# Altium PCB Sensors_IO_Board.PcbDoc (part 2 of 2)
Units mm, origin at the board's own origin, x right, y up, seen from the top; angles counter-clockwise.
Board outline 100 x 100 mm, 2 copper layers (Top Layer, Bottom Layer); 246 components, 158 nets, 760 pads, 0 vias.
Unrouted connection lines stored in the file: 558.
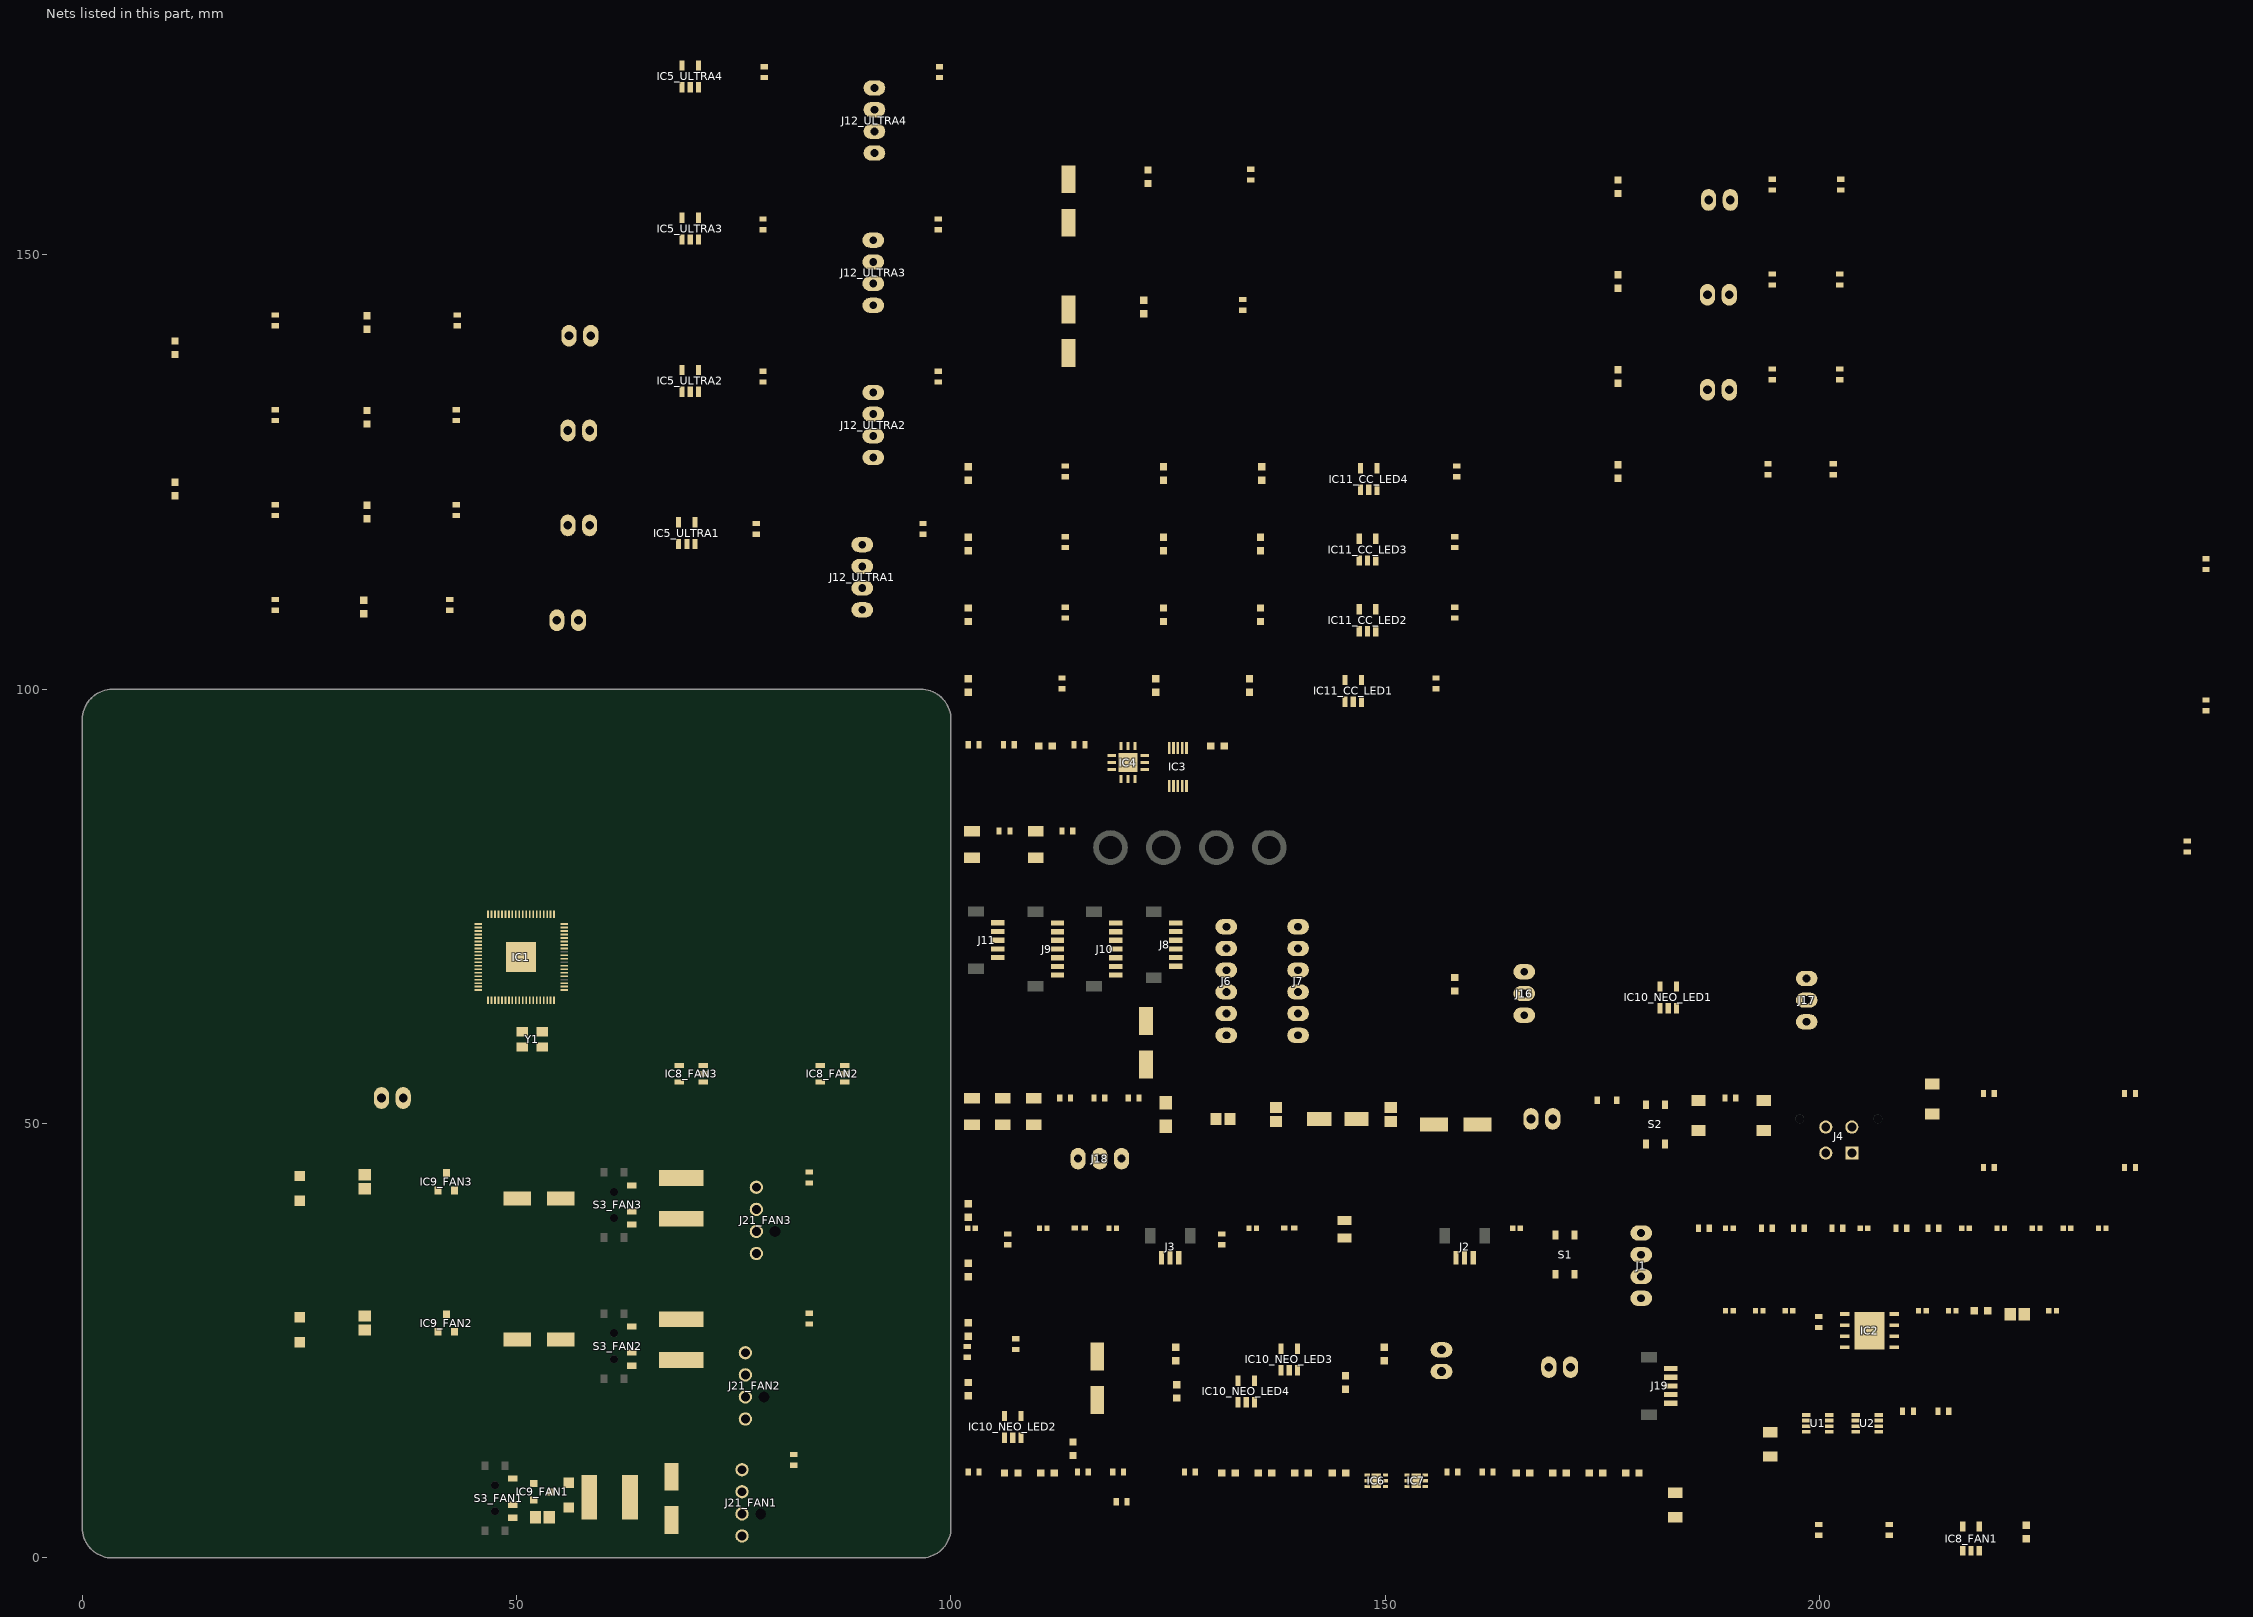
[diagram p2: the nets of this part, all layers, seen from the top]

## Part data
C1 C3 C4 C5 C6 C7 C8 C9 C10 C11 C12 C13 C14 C15 C16 C17 C18 C19 C20 C27 C28 C29_ULTRA1 C29_ULTRA2 C29_ULTRA3 C29_ULTRA4 C30 C31 C35 C37 C38 C39 C40_MS1 C40_MS2 C40_MS3 C40_MS4 C41_THERM1 C41_THERM2 C41_THERM3 C41_THERM4 C42_FAN1 C42_FAN2 C42_FAN3 C45_NEO_LED1 C45_NEO_LED2 C45_NEO_LED3 C45_NEO_LED4 C47_NEO_LED1 C47_NEO_LED2 C47_NEO_LED3 C47_NEO_LED4 C50_CC_LED1 C50_CC_LED2 C50_CC_LED3 C50_CC_LED4: library part "Non-polar Capacitor", "Generic Ceramic Capacitor", Voltage=6.3V
C2 C23 C25 C43_FAN1 C43_FAN2 C43_FAN3: library part CL21A106KOQNNNE, "CAP CER 10UF 16V X5R 0805", Capacitance="10 µF", Device Package="0805 (2012 Metric)", Manufacturer="Samsung Electro-Mechanics", Operating Temperature="-55°C ~ 85°C", Supplier Part Number 1=1276-1096-1-ND, Temperature Coefficient=X5R, Tolerance=±10%, Voltage - Rated=16V, Applications="General Purpose", ComponentLink1Description=Datasheet, ComponentLink1URL=http://www.samsungsem.com/kr/support/product-search/mlcc/CL21A106KOQNNNE.jsp, ComponentLink2Description="DigiKey Link", ComponentLink2URL=https://www.digikey.com/en/products/detail/samsung-electro-mechanics/CL21A106KOQNNNE/3886754, LastUpdated="2/9/2024 8:15:37 PM", Lifecycle Status=Active, Minimum Order=1, Mounting Type="Surface Mount, MLCC", Package / Case="0805 (2012 Metric)", Packaging=TapeAndReel, Part Number=CL21A106KOQNNNE, Part Status=Active, PartId=14297, Price=0.01, Series=CL, Size / Dimension="0.079\" L x 0.049\" W (2.00mm x 1.25mm)", Supplier 1=DigiKey, Thickness (Max)="0.055\" (1.40mm)"
C21 C33 C48_CC_LED1 C48_CC_LED2 C48_CC_LED3 C48_CC_LED4 C49_CC_LED1 C49_CC_LED2 C49_CC_LED3 C49_CC_LED4: library part "Non-polar Capacitor", "Generic Ceramic Capacitor", Voltage=16V
C22: library part CL21A226MAYNNNE, "CAP CER 22UF 25V X5R 0805", Device Package="0805 (2012 Metric)", Manufacturer="Samsung Electro-Mechanics", Operating Temperature="-55°C ~ 85°C", Supplier Part Number 1=1276-CL21A226MAYNNNECT-ND, Temperature Coefficient=X5R, Tolerance=±20%, Voltage - Rated=25V, Applications="General Purpose", Capacitance="22 µF", ComponentLink1Description=Datasheet, ComponentLink1URL=https://media.digikey.com/pdf/Data%20Sheets/Samsung%20PDFs/CL21A226MAYNNNE_Spec.pdf, ComponentLink2Description="DigiKey Link", ComponentLink2URL=https://www.digikey.com/en/products/detail/samsung-electro-mechanics/CL21A226MAYNNNE/10479857, LastUpdated="2/9/2024 8:15:02 PM", Lifecycle Status=Active, Minimum Order=1, Mounting Type="Surface Mount, MLCC", Package / Case="0805 (2012 Metric)", Packaging=TapeAndReel, Part Number=CL21A226MAYNNNE, Part Status=Active, PartId=39209, Price=0.04, Series=CL, Size / Dimension="0.079\" L x 0.049\" W (2.00mm x 1.25mm)", Supplier 1=DigiKey, Thickness (Max)="0.057\" (1.45mm)"
C24: library part 865080142007, "CAP ALUM 100UF 20% 6.3V SMD", Capacitance="100 µF", Device Package="Radial, Can - SMD", Lifetime @ Temp.="2000 Hrs @ 105°C", Manufacturer="Würth Elektronik", Operating Temperature="-55°C ~ 105°C", Ripple Current @ High Frequency="170 mA @ 100 kHz", Ripple Current @ Low Frequency="110.5 mA @ 120 Hz", Supplier Part Number 1=732-8472-1-ND, Tolerance=±20%, Voltage - Rated="6.3 V", Applications="General Purpose", ComponentLink1Description=Datasheet, ComponentLink1URL=https://katalog.we-online.de/pbs/datasheet/865080142007.pdf, ComponentLink2Description="DigiKey Link", ComponentLink2URL=https://www.digikey.com/en/products/detail/würth-elektronik/865080142007/5728067, Height - Seated (Max)="0.217\" (5.50mm)", Impedance="800 mOhms", LastUpdated="6/3/2024 7:53:12 PM", Lifecycle Status=Active, Minimum Order=1, Mounting Type="Surface Mount", Package / Case="Radial, Can - SMD", Packaging=TapeAndReel, Part Number=865080142007, Part Status=Active, PartId=7920, Polarization=Polar, Price=0.12, Series=WCAP-ASLI, Size / Dimension="0.197\" Dia (5.00mm)", Supplier 1=DigiKey, Surface Mount Land Size="0.209\" L x 0.209\" W (5.30mm x 5.30mm)"
C26: library part 865080343009, "CAP ALUM 100UF 20% 16V SMD", Device Package="Radial, Can - SMD", Lifetime @ Temp.="2000 Hrs @ 105°C", Manufacturer="Würth Elektronik", Operating Temperature="-55°C ~ 105°C", Ripple Current @ High Frequency="255 mA @ 100 kHz", Ripple Current @ Low Frequency="165.75 mA @ 120 Hz", Supplier Part Number 1=732-8419-1-ND, Tolerance=±20%, Voltage - Rated="16 V", Applications="General Purpose", Capacitance=100uF, ComponentLink1Description=Datasheet, ComponentLink1URL=https://katalog.we-online.de/pbs/datasheet/865080343009.pdf, ComponentLink2Description="DigiKey Link", ComponentLink2URL=https://www.digikey.com/en/products/detail/würth-elektronik/865080343009/5728014, Height - Seated (Max)="0.217\" (5.50mm)", Impedance="520 mOhms", LastUpdated="6/3/2024 7:53:35 PM", Lifecycle Status=Active, Minimum Order=1, Mounting Type="Surface Mount", Package / Case="Radial, Can - SMD", Packaging=TapeAndReel, Part Number=865080343009, Part Status=Active, PartId=8820, Polarization=Polar, Price=0.16, Series=WCAP-ASLI, Size / Dimension="0.248\" Dia (6.30mm)", Supplier 1=DigiKey, Surface Mount Land Size="0.260\" L x 0.260\" W (6.60mm x 6.60mm)"
C32 C34 C36: library part "Non-polar Capacitor", "Generic Ceramic Capacitor", Voltage=16
C44_FAN1 C44_FAN2 C44_FAN3 C46_NEO_LED1 C46_NEO_LED2 C46_NEO_LED3 C46_NEO_LED4: library part 865080443007, "CAP ALUM 47UF 20% 25V SMD", Device Package="Radial, Can - SMD", Lifetime @ Temp.="2000 Hrs @ 105°C", Manufacturer="Würth Elektronik", Operating Temperature="-55°C ~ 105°C", Ripple Current @ High Frequency="220 mA @ 100 kHz", Ripple Current @ Low Frequency="143 mA @ 120 Hz", Supplier Part Number 1=732-8435-1-ND, Tolerance=±20%, Voltage - Rated="25 V", Applications="General Purpose", Capacitance="47 µF", ComponentLink1Description=Datasheet, ComponentLink1URL=https://katalog.we-online.de/pbs/datasheet/865080443007.pdf, ComponentLink2Description="DigiKey Link", ComponentLink2URL=https://www.digikey.com/en/products/detail/würth-elektronik/865080443007/5728030, Height - Seated (Max)="0.217\" (5.50mm)", Impedance="560 mOhms", LastUpdated="6/3/2024 7:53:40 PM", Lifecycle Status=Active, Minimum Order=1, Mounting Type="Surface Mount", Package / Case="Radial, Can - SMD", Packaging=TapeAndReel, Part Number=865080443007, Part Status=Active, PartId=8980, Polarization=Polar, Price=0.15, Series=WCAP-ASLI, Size / Dimension="0.248\" Dia (6.30mm)", Supplier 1=DigiKey, Surface Mount Land Size="0.260\" L x 0.260\" W (6.60mm x 6.60mm)"
D1: "Indicator LED", Color=Green
D2: "Indicator LED", Color=Amber
D3: "DIODE STANDARD 75V 200MA SOD323", Capacitance @ Vr, F="2pF @ 0V, 1MHz", Current - Average Rectified (Io)=200mA, Current - Reverse Leakage @ Vr="5 nA @ 75 V", Manufacturer="Nexperia USA Inc.", Operating Temperature - Junction="150°C (Max)", Package / Case="SC-76, SOD-323", Supplier Device Package=SOD-323, Supplier Part Number 1=1727-4807-1-ND, Voltage - DC Reverse (Vr) (Max)="75 V", Voltage - Forward (Vf) (Max) @ If="1.25 V @ 150 mA", ComponentLink1Description=Datasheet, ComponentLink1URL=https://assets.nexperia.com/documents/data-sheet/BAS416.pdf, ComponentLink2Description="DigiKey Link", ComponentLink2URL=https://www.digikey.com/en/products/detail/nexperia-usa-inc/BAS416-115/1232094, Diode Type=Standard, LastUpdated="10/27/2025 1:55:14 PM", Lifecycle Status=Active, Minimum Order=1, Mounting Type="Surface Mount", Packaging=TapeAndReel, Part Number=BAS416,115, Part Status=Active, PartId=2951, Price=0.02, Reverse Recovery Time (trr)="3 µs", Series=-, Speed="Small Signal =< 200mA (Io), Any Speed", Supplier 1=DigiKey
D4 D5 D6: "Indicator LED", Color=Blue
D7_FAN1 D7_FAN2 D7_FAN3: "DIODE SCHOTTKY 30V 2A SOD123L", Current - Average Rectified (Io)=2A, Current - Reverse Leakage @ Vr="1mA @ 30V", Manufacturer="ON Semiconductor", Operating Temperature - Junction="-55°C ~ 125°C", Package / Case=SOD-123F, Supplier Device Package=SOD-123L, Supplier Part Number 1=MBR230LSFT1GOSCT-ND, Voltage - DC Reverse (Vr) (Max)=30V, Voltage - Forward (Vf) (Max) @ If="430mV @ 2A", ComponentLink1Description=Datasheet, ComponentLink1URL=http://www.onsemi.com/pub/Collateral/MBR230LSFT1-D.PDF, ComponentLink2Description="DigiKey Link", ComponentLink2URL=http://digikey.com/product-detail/en/on-semiconductor/MBR230LSFT1G/MBR230LSFT1GOSCT-ND/1967064, Diode Type=Schottky, LastUpdated="6/3/2024 7:54:57 PM", Lifecycle Status=Active, Minimum Order=1, Mounting Type="Surface Mount", Packaging=TapeAndReel, Part Number=MBR230LSFT1G, Part Status=Active, PartId=2381, Price=0.08, Series=-, Speed="Fast Recovery =< 500ns, > 200mA (Io)", Supplier 1=DigiKey
F1 F2 F3: "FUSE BOARD MOUNT 2A 63VDC 1206", Breaking Capacity @ Rated Voltage=50A, Current Rating (Amps)=2A, Device Package="1206 (3216 Metric)", Manufacturer="Bourns Inc.", Operating Temperature="-40°C ~ 105°C", Supplier Part Number 1=SF-1206F200-2CT-ND, Voltage Rating - DC=63V, Approval Agency=UL, Approvals=UL, ComponentLink1Description=Datasheet, ComponentLink1URL=https://www.bourns.com/pdfs/SF1206F.pdf, ComponentLink2Description="DigiKey Link", ComponentLink2URL=http://digikey.com/product-detail/en/bourns-inc/SF-1206F200-2/SF-1206F200-2CT-ND/1948205, Fuse Type="Board Mount (Cartridge Style Excluded)", LastUpdated="9/2/2020 1:30:42 AM", Lifecycle Status=Active, Melting I²t=0.181, Minimum Order=1, Mounting Type="Surface Mount", Package / Case="1206 (3216 Metric)", Packaging=TapeAndReel, Part Number=SF-1206F200-2, Part Status=Active, Price=0.31, Response Time="Fast Blow", Series="SinglFuse™ SF-1206F", Size / Dimension="0.122\" L x 0.061\" W x 0.024\" H (3.10mm x 1.55mm x 0.60mm)", Supplier 1=DigiKey
IC1: "Integrated Circuit", Manufacturer_Name=RASPBERRY-PI, Datasheet Link=https://datasheets.raspberrypi.com/rp2350/rp2350-product-brief.pdf, Height=0.9mm, Manufacturer_Part_Number=RP2350B
IC2: "Integrated Circuit", Manufacturer_Name=Winbond, Mouser Part Number=454-W25Q64JVZPIQ, Arrow Part Number=W25Q64JVZPIQ, Arrow Price/Stock=https://www.arrow.com/en/products/w25q64jvzpiq/winbond-electronics?utm_currency=USD&region=nac, Datasheet Link=https://www.winbond.com/hq/search-resource-file.jsp?partNo=W25Q64JVZPIQ&type=datasheet, Height=0.8mm, Manufacturer_Part_Number=W25Q64JVZPIQ, Mouser Price/Stock=https://www.mouser.co.uk/ProductDetail/Winbond/W25Q64JVZPIQ?qs=qSfuJ%252Bfl%2Fd7Nj8XAKQ%2FzKA%3D%3D
IC3: "Integrated Circuit", Manufacturer_Name="Texas Instruments", Mouser Part Number=595-ADS1115IDGSR, Arrow Part Number=ADS1115IDGSR, Arrow Price/Stock=https://www.arrow.com/en/products/ads1115idgsr/texas-instruments?utm_currency=USD&region=nac, Datasheet Link=http://www.ti.com/lit/gpn/ADS1115, Height=1.1mm, Manufacturer_Part_Number=ADS1115IDGSR, Mouser Price/Stock=https://www.mouser.co.uk/ProductDetail/Texas-Instruments/ADS1115IDGSR?qs=IK5e5L0zOXjKCJoVMhYO%2FQ%3D%3D
IC4: "Integrated Circuit", Manufacturer_Name=Microchip, Mouser Part Number=886-EMC2303-1-KP-TR, Arrow Part Number=EMC2303-1-KP-TR, Arrow Price/Stock=https://www.arrow.com/en/products/emc2303-1-kp-tr/microchip-technology?utm_currency=USD&region=nac, Datasheet Link=https://componentsearchengine.com/Datasheets/1/EMC2303-1-KP-TR.pdf, Height=0.9mm, Manufacturer_Part_Number=EMC2303-1-KP-TR, Mouser Price/Stock=https://www.mouser.co.uk/ProductDetail/Microchip-Technology/EMC2303-1-KP-TR?qs=pA5MXup5wxGoL5M5tUOQYw%3D%3D
IC5_ULTRA1 IC5_ULTRA2 IC5_ULTRA3 IC5_ULTRA4 IC10_NEO_LED1 IC10_NEO_LED2 IC10_NEO_LED3 IC10_NEO_LED4: "Integrated Circuit", Manufacturer_Name="Texas Instruments", Mouser Part Number=595-SNAHCT1G125DBVR, Arrow Part Number=SN74AHCT1G125DBVR, Arrow Price/Stock=https://www.arrow.com/en/products/sn74ahct1g125dbvr/texas-instruments?utm_currency=USD&region=nac, Datasheet Link=http://www.ti.com/lit/ds/symlink/sn74ahct1g125.pdf, Height=1.45mm, Manufacturer_Part_Number=SN74AHCT1G125DBVR, Mouser Price/Stock=https://www.mouser.co.uk/ProductDetail/Texas-Instruments/SN74AHCT1G125DBVR?qs=N6WZOzgtpqVaVW8Lh%252BgevA%3D%3D
IC6 IC7: "Integrated Circuit", Manufacturer_Name="Texas Instruments", Mouser Part Number=595-TPS22810DRVR, Arrow Part Number=TPS22810DRVR, Arrow Price/Stock=https://www.arrow.com/en/products/tps22810drvr/texas-instruments?region=nac, Datasheet Link=http://www.ti.com/lit/gpn/tps22810, Height=0.8mm, Manufacturer_Part_Number=TPS22810DRVR, Mouser Price/Stock=https://www.mouser.co.uk/ProductDetail/Texas-Instruments/TPS22810DRVR?qs=5aG0NVq1C4wkfnc1%252B6LezA%3D%3D
IC8_FAN1 IC8_FAN2 IC8_FAN3: "IC GATE DRVR LOW-SIDE SOT23-5", Current - Peak Output (Source, Sink)="500mA, 500mA", Device Package="SC-74A, SOT-753", Logic Voltage - VIL, VIH="0.8V, 2.4V", Manufacturer="Microchip Technology", Operating Temperature="-40°C ~ 125°C", Supplier Device Package=SOT-23-5, Supplier Part Number 1=MCP1401T-E/OTCT-ND, Voltage - Supply="4.5V ~ 18V", Channel Type=Single, ComponentLink1Description=Datasheet, ComponentLink1URL=http://www.microchip.com/mymicrochip/filehandler.aspx?ddocname=en530890, ComponentLink2Description="DigiKey Link", ComponentLink2URL=http://digikey.com/product-detail/en/microchip-technology/MCP1401T-E-OT/MCP1401T-E-OTCT-ND/1956553, Driven Configuration=Low-Side, Gate Type="IGBT, N-Channel, P-Channel MOSFET", Input Type=Inverting, LastUpdated="1/31/2020 1:34:08 AM", Lifecycle Status=Active, Minimum Order=1, Mounting Type="Surface Mount", Number of Drivers=1, Package / Case="SC-74A, SOT-753", Packaging=TapeAndReel, Part Number=MCP1401T-E/OT, Part Status=Active, PartId=9, Price=0.47, Rise / Fall Time (Typ)="19ns, 15ns", Series=-, Supplier 1=DigiKey
IC9_FAN1 IC9_FAN2 IC9_FAN3: "MOSFET P-CH 30V 3.8A SOT23", Current - Continuous Drain (Id) @ 25°C="3.8A (Ta)", Drain to Source Voltage (Vdss)="30 V", Drive Voltage (Max Rds On,  Min Rds On)="4.5V, 10V", Input Capacitance (Ciss) (Max) @ Vds="563 pF @ 25 V", Manufacturer="Diodes Incorporated", Operating Temperature="-55°C ~ 150°C (TJ)", Package / Case="TO-236-3, SC-59, SOT-23-3", Power Dissipation (Max)="1.08W (Ta)", Supplier Device Package=SOT-23-3, Supplier Part Number 1=DMP3099L-7DICT-ND, ComponentLink1Description=Datasheet, ComponentLink1URL=https://www.diodes.com/assets/Datasheets/DMP3099L.pdf, ComponentLink2Description="DigiKey Link", ComponentLink2URL=https://www.digikey.com/en/products/detail/diodes-incorporated/DMP3099L-7/4471075, FET Type=P-Channel, Gate Charge (Qg) (Max) @ Vgs="5.2 nC @ 4.5 V", LastUpdated="6/3/2024 8:15:20 PM", Lifecycle Status=Active, Minimum Order=1, Mounting Type="Surface Mount", Packaging=TapeAndReel, Part Number=DMP3099L-7, Part Status=Active, Price=0.04, Rds On (Max) @ Id, Vgs="65mOhm @ 3.8A, 10V", Series=-, Supplier 1=DigiKey, Technology="MOSFET (Metal Oxide)", Vgs (Max)=±20V, Vgs(th) (Max) @ Id="2.1V @ 250µA"
IC11_CC_LED1 IC11_CC_LED2 IC11_CC_LED3 IC11_CC_LED4: "Integrated Circuit", Manufacturer_Name="Texas Instruments", Mouser Part Number=595-TPS92612DBVR, Arrow Part Number=TPS92612DBVR, Arrow Price/Stock=https://www.arrow.com/en/products/tps92612dbvr/texas-instruments?utm_currency=USD&region=nac, Datasheet Link=https://www.ti.com/lit/gpn/TPS92612, Height=1.45mm, Manufacturer_Part_Number=TPS92612DBVR, Mouser Price/Stock=https://www.mouser.co.uk/ProductDetail/Texas-Instruments/TPS92612DBVR?qs=vmHwEFxEFR8rIdrHkxYxuQ%3D%3D
J1 J12_ULTRA1 J12_ULTRA2 J12_ULTRA3 J12_ULTRA4: "CONN HEADER VERT 4POS 2.5MM", Current Rating (Amps)=3A, Insulation Color=Natural, Manufacturer="JST Sales America Inc.", Material Flammability Rating="UL94 V-0", Operating Temperature="-25°C ~ 85°C", Supplier Part Number 1=455-2249-ND, Voltage Rating=250V, ComponentLink1Description=Datasheet, ComponentLink1URL=http://www.jst-mfg.com/product/pdf/eng/eXH.pdf, ComponentLink2Description="DigiKey Link", ComponentLink2URL=http://digikey.com/product-detail/en/jst-sales-america-inc/B4B-XH-A-LF-SN/455-2249-ND/1651047, Connector Type=Header, Contact Finish - Mating=Tin, Contact Finish - Post=Tin, Contact Length - Post="0.134\" (3.40mm)", Contact Material=Brass, Contact Shape=Square, Contact Type="Male Pin", Fastening Type="Detent Lock", Insulation Height="0.276\" (7.00mm)", Insulation Material="Polyamide (PA66), Nylon 6/6", LastUpdated="1/12/2020 11:46:34 PM", Lifecycle Status=Active, Minimum Order=1, Mounting Type="Through Hole", Number of Positions=4, Number of Positions Loaded=All, Number of Rows=1, Packaging=Bulk, Part Number=B4B-XH-A(LF)(SN), Part Status=Active, PartId=69, Pitch - Mating="0.098\" (2.50mm)", Price=0.21, Series=XH, Shrouding="Shrouded - 4 Wall", Style="Board to Cable/Wire", Supplier 1=DigiKey, Termination="Press-Fit, Solder"
  J1: System=Connector
J2 J3: "CONN HEADER SMD 3POS 1MM", Current Rating (Amps)=0.7A, Insulation Color=Natural, Manufacturer="JST Sales America Inc.", Material Flammability Rating="UL94 V-0", Operating Temperature="-25°C ~ 85°C", Supplier Part Number 1=455-1789-1-ND, Voltage Rating=50V, ComponentLink1Description=Datasheet, ComponentLink1URL=http://www.jst-mfg.com/product/pdf/eng/eSR.pdf, ComponentLink2Description="DigiKey Link", ComponentLink2URL=http://digikey.com/product-detail/en/jst-sales-america-inc/BM03B-SRSS-TB-LF-SN/455-1789-1-ND/926860, Connector Type=Header, Contact Finish - Mating=Tin, Contact Finish - Post=Tin, Contact Material="Copper Alloy", Contact Shape=Square, Contact Type="Male Pin", Fastening Type=Push-Pull, Features="Solder Retention", Insulation Height="0.167\" (4.25mm)", Insulation Material="Polyamide (PA), Nylon", LastUpdated="1/12/2020 10:12:14 PM", Lifecycle Status=Active, Minimum Order=1, Mounting Type="Surface Mount", Number of Positions=3, Number of Positions Loaded=All, Number of Rows=1, Packaging=TapeAndReel, Part Number=BM03B-SRSS-TB(LF)(SN), Part Status=Active, PartId=14, Pitch - Mating="0.039\" (1.00mm)", Price=0.24, Series=SR, Shrouding="Shrouded - 4 Wall", Style="Board to Cable/Wire", Supplier 1=DigiKey, Termination=Solder
J4: "Connector", Manufacturer_Name=Molex, Mouser Part Number=538-43045-0412, Arrow Part Number=43045-0412, Arrow Price/Stock=https://www.arrow.com/en/products/43045-0412/molex?utm_currency=USD&region=nac, Datasheet Link=https://www.molex.com/pdm_docs/sd/430450612_sd.pdf, Height=9.91mm, Manufacturer_Part_Number=43045-0412, Mouser Price/Stock=https://www.mouser.co.uk/ProductDetail/Molex/43045-0412?qs=UeCeOHRHQebPBbEMDLocEw%3D%3D
J5 J13_MS1 J13_MS2 J13_MS3 J13_MS4 J14 J15 J20_THERM1 J20_THERM2 J20_THERM3 J20_THERM4: "CONN HEADER VERT 2POS 2.5MM", Current Rating (Amps)=3A, Insulation Color=Natural, Manufacturer="JST Sales America Inc.", Material Flammability Rating="UL94 V-0", Operating Temperature="-25°C ~ 85°C", Supplier Part Number 1=455-2247-ND, Voltage Rating=250V, ComponentLink1Description=Datasheet, ComponentLink1URL=http://www.jst-mfg.com/product/pdf/eng/eXH.pdf, ComponentLink2Description="DigiKey Link", ComponentLink2URL=http://digikey.com/product-detail/en/jst-sales-america-inc/B2B-XH-A-LF-SN/455-2247-ND/1651045, Connector Type=Header, Contact Finish - Mating=Tin, Contact Finish - Post=Tin, Contact Length - Post="0.134\" (3.40mm)", Contact Material=Brass, Contact Shape=Square, Contact Type="Male Pin", Fastening Type="Detent Lock", Insulation Height="0.276\" (7.00mm)", Insulation Material="Polyamide (PA66), Nylon 6/6", LastUpdated="1/12/2020 11:46:08 PM", Lifecycle Status=Active, Minimum Order=1, Mounting Type="Through Hole", Number of Positions=2, Number of Positions Loaded=All, Number of Rows=1, Packaging=Bulk, Part Number=B2B-XH-A(LF)(SN), Part Status=Active, PartId=67, Pitch - Mating="0.098\" (2.50mm)", Price=0.15, Series=XH, Shrouding="Shrouded - 4 Wall", Style="Board to Cable/Wire", Supplier 1=DigiKey, Termination="Press-Fit, Solder"
J6 J7: "CONN HEADER VERT 6POS 2.5MM", Current Rating (Amps)=3A, Insulation Color=Natural, Manufacturer="JST Sales America Inc.", Material Flammability Rating="UL94 V-0", Operating Temperature="-25°C ~ 85°C", Supplier Part Number 1=455-2271-ND, Voltage Rating=250V, ComponentLink1Description=Datasheet, ComponentLink1URL=http://www.jst-mfg.com/product/pdf/eng/eXH.pdf, ComponentLink2Description="DigiKey Link", ComponentLink2URL=http://digikey.com/product-detail/en/jst-sales-america-inc/B6B-XH-A-LF-SN/455-2271-ND/1000381, Connector Type=Header, Contact Finish - Mating=Tin, Contact Finish - Post=Tin, Contact Length - Post="0.134\" (3.40mm)", Contact Material=Brass, Contact Shape=Square, Contact Type="Male Pin", Fastening Type="Detent Lock", Insulation Height="0.276\" (7.00mm)", Insulation Material="Polyamide (PA66), Nylon 6/6", LastUpdated="1/12/2020 11:46:58 PM", Lifecycle Status=Active, Minimum Order=1, Mounting Type="Through Hole", Number of Positions=6, Number of Positions Loaded=All, Number of Rows=1, Packaging=Bulk, Part Number=B6B-XH-A(LF)(SN), Part Status=Active, PartId=71, Pitch - Mating="0.098\" (2.50mm)", Price=0.27, Series=XH, Shrouding="Shrouded - 4 Wall", Style="Board to Cable/Wire", Supplier 1=DigiKey, Termination="Press-Fit, Solder"
J8: "CONN HEADER SMD 6POS 1MM", Current Rating (Amps)=0.7A, Insulation Color=Natural, Manufacturer="JST Sales America Inc.", Material Flammability Rating="UL94 V-0", Operating Temperature="-25°C ~ 85°C", Supplier Part Number 1=455-1792-1-ND, Voltage Rating=50V, ComponentLink1Description=Datasheet, ComponentLink1URL=http://www.jst-mfg.com/product/pdf/eng/eSH.pdf, ComponentLink2Description="DigiKey Link", ComponentLink2URL=http://digikey.com/product-detail/en/jst-sales-america-inc/BM06B-SRSS-TB-LF-SN/455-1792-1-ND/926863, Connector Type=Header, Contact Finish - Mating=Tin, Contact Finish - Post=Tin, Contact Material="Copper Alloy", Contact Shape=Square, Contact Type="Male Pin", Fastening Type=Push-Pull, Features="Solder Retention", Insulation Height="0.167\" (4.25mm)", Insulation Material="Polyamide (PA), Nylon", LastUpdated="1/12/2020 10:14:30 PM", Lifecycle Status=Active, Minimum Order=1, Mounting Type="Surface Mount", Number of Positions=6, Number of Positions Loaded=All, Number of Rows=1, Packaging=TapeAndReel, Part Number=BM06B-SRSS-TB(LF)(SN), Part Status=Active, PartId=20, Pitch - Mating="0.039\" (1.00mm)", Price=0.38, Series=SR, Shrouding="Shrouded - 4 Wall", Style="Board to Cable/Wire", Supplier 1=DigiKey, Termination=Solder
J9 J10: "CONN HEADER SMD 7POS 1MM", Current Rating (Amps)=0.7A, Insulation Color=Natural, Manufacturer="JST Sales America Inc.", Material Flammability Rating="UL94 V-0", Operating Temperature="-25°C ~ 85°C", Supplier Part Number 1=455-1793-1-ND, Voltage Rating=50V, ComponentLink1Description=Datasheet, ComponentLink1URL=http://www.jst-mfg.com/product/pdf/eng/eSH.pdf, ComponentLink2Description="DigiKey Link", ComponentLink2URL=http://digikey.com/product-detail/en/jst-sales-america-inc/BM07B-SRSS-TB-LF-SN/455-1793-1-ND/926864, Connector Type=Header, Contact Finish - Mating=Tin, Contact Finish - Post=Tin, Contact Material="Copper Alloy", Contact Shape=Square, Contact Type="Male Pin", Fastening Type=Push-Pull, Features="Solder Retention", Insulation Height="0.167\" (4.25mm)", Insulation Material="Polyamide (PA), Nylon", LastUpdated="1/12/2020 10:15:04 PM", Lifecycle Status=Active, Minimum Order=1, Mounting Type="Surface Mount", Number of Positions=7, Number of Positions Loaded=All, Number of Rows=1, Packaging=TapeAndReel, Part Number=BM07B-SRSS-TB(LF)(SN), Part Status=Active, PartId=22, Pitch - Mating="0.039\" (1.00mm)", Price=0.42, Series=SR, Shrouding="Shrouded - 4 Wall", Style="Board to Cable/Wire", Supplier 1=DigiKey, Termination=Solder
J11 J19: "CONN HEADER SMD 5POS 1MM", Current Rating (Amps)=0.7A, Insulation Color=Natural, Manufacturer="JST Sales America Inc.", Material Flammability Rating="UL94 V-0", Operating Temperature="-25°C ~ 85°C", Supplier Part Number 1=455-1791-1-ND, Voltage Rating=50V, ComponentLink1Description=Datasheet, ComponentLink1URL=http://www.jst-mfg.com/product/pdf/eng/eSR.pdf, ComponentLink2Description="DigiKey Link", ComponentLink2URL=http://digikey.com/product-detail/en/jst-sales-america-inc/BM05B-SRSS-TB-LF-SN/455-1791-1-ND/926862, Connector Type=Header, Contact Finish - Mating=Tin, Contact Finish - Post=Tin, Contact Material="Copper Alloy", Contact Shape=Square, Contact Type="Male Pin", Fastening Type=Push-Pull, Features="Solder Retention", Insulation Height="0.167\" (4.25mm)", Insulation Material="Polyamide (PA), Nylon", LastUpdated="1/12/2020 10:14:00 PM", Lifecycle Status=Active, Minimum Order=1, Mounting Type="Surface Mount", Number of Positions=5, Number of Positions Loaded=All, Number of Rows=1, Packaging=TapeAndReel, Part Number=BM05B-SRSS-TB(LF)(SN), Part Status=Active, PartId=18, Pitch - Mating="0.039\" (1.00mm)", Price=0.35, Series=SR, Shrouding="Shrouded - 4 Wall", Style="Board to Cable/Wire", Supplier 1=DigiKey, Termination=Solder
J16 J17 J18: "CONN HEADER VERT 3POS 2.5MM", Current Rating (Amps)=3A, Insulation Color=Natural, Manufacturer="JST Sales America Inc.", Material Flammability Rating="UL94 V-0", Operating Temperature="-25°C ~ 85°C", Supplier Part Number 1=455-2248-ND, Voltage Rating=250V, ComponentLink1Description=Datasheet, ComponentLink1URL=http://www.jst-mfg.com/product/pdf/eng/eXH.pdf, ComponentLink2Description="DigiKey Link", ComponentLink2URL=http://digikey.com/product-detail/en/jst-sales-america-inc/B3B-XH-A-LF-SN/455-2248-ND/1651046, Connector Type=Header, Contact Finish - Mating=Tin, Contact Finish - Post=Tin, Contact Length - Post="0.134\" (3.40mm)", Contact Material=Brass, Contact Shape=Square, Contact Type="Male Pin", Fastening Type="Detent Lock", Insulation Height="0.276\" (7.00mm)", Insulation Material="Polyamide (PA66), Nylon 6/6", LastUpdated="1/12/2020 11:46:22 PM", Lifecycle Status=Active, Minimum Order=1, Mounting Type="Through Hole", Number of Positions=3, Number of Positions Loaded=All, Number of Rows=1, Packaging=Bulk, Part Number=B3B-XH-A(LF)(SN), Part Status=Active, PartId=68, Pitch - Mating="0.098\" (2.50mm)", Price=0.19, Series=XH, Shrouding="Shrouded - 4 Wall", Style="Board to Cable/Wire", Supplier 1=DigiKey, Termination="Press-Fit, Solder"
J21_FAN1 J21_FAN2 J21_FAN3: "Connector", Manufacturer_Name=Molex, Mouser Part Number=N/A, Arrow Part Number=0470531000, Arrow Price/Stock=https://www.arrow.com/en/products/0470531000/molex?utm_currency=USD&region=nac, Datasheet Link=https://www.molex.com/en-us/products/part-detail-pdf/470531000?display=pdf, Manufacturer_Part_Number=0470531000, Mouser Price/Stock=https://www.mouser.co.uk/ProductDetail/Molex/0470531000?qs=PBcRNPEHKsr8N9RyuOy6rw%3D%3D
L1: library part AOTA-B201610S3R3-101-T, "Inductor", Manufacturer_Name=ABRACON, Mouser Part Number=815-AB201610S3R3101T, Arrow Part Number=AOTA-B201610S3R3-101-T, Arrow Price/Stock=https://www.arrow.com/en/products/aota-b201610s3r3-101-t/abracon?utm_currency=USD&region=nac, Datasheet Link=https://abracon.com/datasheets/AOTA-B201610S3R3-101-T.pdf, Height=1mm, Manufacturer_Part_Number=AOTA-B201610S3R3-101-T, Mouser Price/Stock=https://www.mouser.co.uk/ProductDetail/ABRACON/AOTA-B201610S3R3-101-T?qs=%252BXxaIXUDbq0IZvJW%2F2mv4w%3D%3D
L2_FAN1 L2_FAN2 L2_FAN3: "Inductor", Manufacturer_Name=Bourns, Mouser Part Number=652-SRN6045TA-680M, Arrow Part Number=SRN6045TA-680M, Arrow Price/Stock=https://www.arrow.com/en/products/srn6045ta-680m/bourns?utm_currency=USD&region=nac, Datasheet Link=http://www.bourns.com/docs/Product-Datasheets/SRN6045TA.pdf, Manufacturer_Part_Number=SRN6045TA-680M, Mouser Price/Stock=https://www.mouser.co.uk/ProductDetail/Bourns/SRN6045TA-680M?qs=Vt59ZOdFuWZwwb5da9XlfA%3D%3D
R1 R2 R3 R4 R5 R7 R8 R11 R13 R14 R15 R16 R17 R18 R19 R20 R21_ULTRA1 R21_ULTRA2 R21_ULTRA3 R21_ULTRA4 R22_ULTRA1 R22_ULTRA2 R22_ULTRA3 R22_ULTRA4 R23 R24 R27 R28 R31 R32 R33 R34_MS1 R34_MS2 R34_MS3 R34_MS4 R35_MS1 R35_MS2 R35_MS3 R35_MS4 R36_THERM1 R36_THERM2 R36_THERM3 R36_THERM4 R37_THERM1 R37_THERM2 R37_THERM3 R37_THERM4 R38_FAN1 R38_FAN2 R38_FAN3 R39_FAN1 R39_FAN2 R39_FAN3 R40_FAN1 R40_FAN2 R40_FAN3 R41_FAN1 R41_FAN2 R41_FAN3 R42_NEO_LED1 R42_NEO_LED2 R42_NEO_LED3 R42_NEO_LED4 R43_CC_LED1 R43_CC_LED2 R43_CC_LED3 R43_CC_LED4 R44_CC_LED1 R44_CC_LED2 R44_CC_LED3 R44_CC_LED4: library part Resistor, "Resistor", Power=1/8W
R6 R9 R10 R12: library part Resistor, "Generic Resistor", Power=1/8W
R25 R26: library part TLR2B10DR007FTDG, "RES 0.007 OHM 1% 1W 1206", Device Package="1206 (3216 Metric)", Manufacturer="TE Connectivity Passive Product", Operating Temperature="-55°C ~ 170°C", Power (Watts)=1W, Supplier Device Package=1206, Supplier Part Number 1=A131747CT-ND, Temperature Coefficient=±50ppm/°C, Tolerance=±1%, ComponentLink1Description=Datasheet, ComponentLink1URL=https://www.te.com/commerce/DocumentDelivery/DDEController?Action=srchrtrv&DocNm=1773449-3&DocType=DS&DocLang=English, ComponentLink2Description="DigiKey Link", ComponentLink2URL=https://www.digikey.com/en/products/detail/te-connectivity-passive-product/TLR2B10DR007FTDG/5584869, Composition="Metal Foil", Features="Current Sense", Height - Seated (Max)="0.024\" (0.60mm)", LastUpdated="2/9/2024 8:54:43 PM", Lifecycle Status=Active, Minimum Order=1, Number of Terminations=2, Package / Case="1206 (3216 Metric)", Packaging=TapeAndReel, Part Number=TLR2B10DR007FTDG, Part Status=Active, PartId=27144, Price=0.31, Resistance="7 mOhms", Series="TLR, CGS", Size / Dimension="0.126\" L x 0.063\" W (3.20mm x 1.60mm)", Supplier 1=DigiKey
R29 R30: library part Resistor, "Resistor", Power=1/4W
S1 S2: "Switch", Arrow Part Number="PTS815 SJK 250 SMTR LFS", Manufacturer_Name="C & K COMPONENTS", Mouser Part Number=611-PTS815SJK250SMTR, Arrow Price/Stock=https://www.arrow.com/en/products/pts815-sjk-250-smtr-lfs/ck, Datasheet Link=https://www.mouser.com/datasheet/2/60/pts815-1535658.pdf, Height=2mm, Manufacturer_Part_Number="PTS815 SJK 250 SMTR LFS", Mouser Price/Stock=https://www.mouser.co.uk/ProductDetail/CK/PTS815-SJK-250-SMTR-LFS?qs=ahcBuItHZ3yETpGYMHf%2FgQ%3D%3D
S3_FAN1 S3_FAN2 S3_FAN3: "MINI SLIDE SWITCH 6.7 X 2.7 MM.", Current Rating (Amps)="300mA (DC)", Manufacturer="Würth Elektronik", Operating Temperature="-40°C ~ 85°C", Rated Current=300mA, Rated Voltage=5VDC, Supplier Part Number 1=732-13665-1-ND, Voltage Rating - DC="5 V", Actuator Length=1.50mm, Actuator Type=Standard, Circuit=SPDT, ComponentLink1Description=Datasheet, ComponentLink1URL=https://katalog.we-online.de/em/datasheet/450404015514.pdf, ComponentLink2Description="DigiKey Link", ComponentLink2URL=https://www.digikey.com/en/products/detail/würth-elektronik/450404015514/9950812, Contact Finish=Silver, Contact Material="Copper Alloy", Contact Plating=Silver, Contact Timing="Non-Shorting (BBM)", LastUpdated="6/20/2022 1:21:56 PM", Lifecycle Status=Active, Minimum Order=1, Mounting Technology=SMT, Mounting Type="Surface Mount", Packaging=TapeAndReel, Part Number=450404015514, Part Status=Active, PartId=5, Price=0.48, Published Date="September 2019", Publisher="Wurth Elektronik", Series=WS-SLSU, Size=6.7x2.7mm, Supplier 1=DigiKey, Switch Function=On-On, Switching Function=On-On, Terminal Material="Copper Alloy", Terminal Plating=Silver, Termination Style="SMD (SMT) Tab"
U1 U2: "48-V, 16-bit ultraprecise IÂ²C output digital power monitor with alert in WCSP 8-SOT-23-THIN -40 to 125", Manufacturer_Name="Texas Instruments", Copyright="Copyright (C) 2025 Ultra Librarian. All rights reserved.", Manufacturer_Part_Number=INA236AIDDFR, RefDes=RefDes, Type="Power Management"
Y1: "Crystal or Oscillator", Manufacturer_Name=ABRACON, Mouser Part Number=815-ABM8-272-T3, Datasheet Link=https://abracon.com/datasheets/ABM8-272-T3.pdf, Height=0.8mm, Manufacturer_Part_Number=ABM8-272-T3, Mouser Price/Stock=https://www.mouser.co.uk/ProductDetail/ABRACON/ABM8-272-T3?qs=QpmGXVUTftEj6miOiJBMxQ%3D%3D

## Nets (pads, with @x,y where several pads share a name; then routed paths per layer and width w, separated by ;. In a path a pad name is that pad's centre, name@x,y a point inside that pad or via, vN(x,y) a via of type N, cw(c..) or ccw(c..) an arc to the next point about the centre after c; other vN are vias at no path point)
+3V3: C1.1 C2.1 C3.1 C4.2 C5.1 C6.1 C7.1 C8.1 C9.2 C10.1 C11.1 C12.1 C17.1 C21.2 C22.2 C27.2 C28.2 C34.2 C35.1 C36.2 C37.1 F1.2 IC1.5 IC1.15 IC1.24 IC1.29 IC1.41 IC1.50 IC1.59 IC1.60 IC1.64 IC1.68 IC1.69 IC1.76 IC2.8 IC3.8 IC4.3 J6.1 J7.1 J8.1 J9.7 J10.7 J11.1 J20_THERM1.1 J20_THERM2.1 J20_THERM3.1 J20_THERM4.1 R4.2 R5.2 R7.2 R8.2 R10.1 R14.2 R17.1 R18.2 R19.2 R20.1 R33.1 R34_MS1.1 R34_MS2.1 R34_MS3.1 R34_MS4.1 R38_FAN1.2 R38_FAN2.2 R38_FAN3.2 R40_FAN1.1 R40_FAN2.1 R40_FAN3.1 U1.4 U2.4 U2.7
+5V: C23.2 C24.1 C29_ULTRA1.2 C29_ULTRA2.2 C29_ULTRA3.2 C29_ULTRA4.2 F2.2 IC5_ULTRA1.5 IC5_ULTRA2.5 IC5_ULTRA3.5 IC5_ULTRA4.5 J12_ULTRA1.1 J12_ULTRA2.1 J12_ULTRA3.1 J12_ULTRA4.1 R16.1 R23.2 R25.2
+5V_AUX: C45_NEO_LED1.2 C45_NEO_LED2.2 C45_NEO_LED3.2 C45_NEO_LED4.2 C46_NEO_LED1.1 C46_NEO_LED2.1 C46_NEO_LED3.1 C46_NEO_LED4.1 C47_NEO_LED1.2 C47_NEO_LED2.2 C47_NEO_LED3.2 C47_NEO_LED4.2 IC6.1 IC10_NEO_LED1.5 IC10_NEO_LED2.5 IC10_NEO_LED3.5 IC10_NEO_LED4.5 J16.3 J17.3 J18.3 J19.5 R29.1
BOOTSEL: R3.2 S1.2
CC_LED_OUT1: C50_CC_LED1.2 IC11_CC_LED1.5 J14.2
CC_LED_OUT2: C50_CC_LED2.2 IC11_CC_LED2.5 J15.2
CC_LED_OUT3: C50_CC_LED3.2 IC11_CC_LED3.5 J19.3
CC_LED_OUT4: C50_CC_LED4.2 IC11_CC_LED4.5 J19.2
CC_PWM_LED1: IC1.53 IC11_CC_LED1.2 R44_CC_LED1.1
CC_PWM_LED2: IC1.54 IC11_CC_LED2.2 R44_CC_LED2.1
CC_PWM_LED3: IC1.55 IC11_CC_LED3.2 R44_CC_LED3.1
CC_PWM_LED4: IC1.56 IC11_CC_LED4.2 R44_CC_LED4.1
DBG_UART_RX: IC1.78 J2.1
DBG_UART_TX: IC1.77 J2.3
DRV_PWM_FAN1: IC8_FAN1.3 R38_FAN1.1 S3_FAN1.1
DRV_PWM_FAN2: IC8_FAN2.3 R38_FAN2.1 S3_FAN2.1
DRV_PWM_FAN3: IC8_FAN3.3 R38_FAN3.1 S3_FAN3.1
DVDD_1V1: C13.2 C14.2 C15.2 C20.1 IC1.10 IC1.32 IC1.51 IC1.65 L1.1
ECHO_HV_ULTRA1: J12_ULTRA1.3 R21_ULTRA1.1
ECHO_HV_ULTRA2: J12_ULTRA2.3 R21_ULTRA2.1
ECHO_HV_ULTRA3: J12_ULTRA3.3 R21_ULTRA3.1
ECHO_HV_ULTRA4: J12_ULTRA4.3 R21_ULTRA4.1
ECHO_UL1: IC1.28 R21_ULTRA1.2 R22_ULTRA1.1
ECHO_UL2: IC1.37 R21_ULTRA2.2 R22_ULTRA2.1
ECHO_UL3: IC1.39 R21_ULTRA3.2 R22_ULTRA3.1
ECHO_UL4: IC1.42 R21_ULTRA4.2 R22_ULTRA4.1
FLT_LED: IC1.80 R2.2
GND: C1.2 C2.2 C3.2 C4.1 C5.2 C6.2 C7.2 C8.2 C9.1 C10.2 C11.2 C12.2 C13.1 C14.1 C15.1 C16.1 C18.1 C19.2 C21.1 C22.1 C23.1 C24.2 C25.1 C26.2 C27.1 C28.1 C29_ULTRA1.1 C29_ULTRA2.1 C29_ULTRA3.1 C29_ULTRA4.1 C32.1 C33.1 C34.1 C35.2 C36.1 C37.2 C38.1 C39.1 C40_MS1.2 C40_MS2.2 C40_MS3.2 C40_MS4.2 C41_THERM1.1 C41_THERM2.1 C41_THERM3.1 C41_THERM4.1 C42_FAN1.2 C42_FAN2.2 C42_FAN3.2 C43_FAN1.1 C43_FAN2.1 C43_FAN3.1 C44_FAN1.2 C44_FAN2.2 C44_FAN3.2 C45_NEO_LED1.1 C45_NEO_LED2.1 C45_NEO_LED3.1 C45_NEO_LED4.1 C46_NEO_LED1.2 C46_NEO_LED2.2 C46_NEO_LED3.2 C46_NEO_LED4.2 C47_NEO_LED1.1 C47_NEO_LED2.1 C47_NEO_LED3.1 C47_NEO_LED4.1 C48_CC_LED1.1 C48_CC_LED2.1 C48_CC_LED3.1 C48_CC_LED4.1 C49_CC_LED1.1 C49_CC_LED2.1 C49_CC_LED3.1 C49_CC_LED4.1 C50_CC_LED1.1 C50_CC_LED2.1 C50_CC_LED3.1 C50_CC_LED4.1 D1.2 D2.2 D4.2 D5.2 D6.2 D7_FAN1.1 D7_FAN2.1 D7_FAN3.1 IC1.81 IC2.4 IC2.9 IC3.1 IC3.3 IC4.13 IC5_ULTRA1.1 IC5_ULTRA1.3 IC5_ULTRA2.1 IC5_ULTRA2.3 IC5_ULTRA3.1 IC5_ULTRA3.3 IC5_ULTRA4.1 IC5_ULTRA4.3 IC6.4 IC6.7 IC7.4 IC7.7 IC8_FAN1.1 IC8_FAN1.4 IC8_FAN2.1 IC8_FAN2.4 IC8_FAN3.1 IC8_FAN3.4 IC10_NEO_LED1.1 IC10_NEO_LED1.3 IC10_NEO_LED2.1 IC10_NEO_LED2.3 IC10_NEO_LED3.1 IC10_NEO_LED3.3 IC10_NEO_LED4.1 IC10_NEO_LED4.3 IC11_CC_LED1.1 IC11_CC_LED2.1 IC11_CC_LED3.1 IC11_CC_LED4.1 J1.1 J1.4 J2.2 J3.2 J4.2 J5.1 J6.6 J7.6 J8.6 J9.1 J10.1 J11.5 J12_ULTRA1.4 J12_ULTRA2.4 J12_ULTRA3.4 J12_ULTRA4.4 J13_MS1.2 J13_MS2.2 J13_MS3.2 J13_MS4.2 J14.1 J15.1 J16.1 J17.1 J18.1 J19.1 J21_FAN1.4 J21_FAN2.4 J21_FAN3.4 R22_ULTRA1.2 R22_ULTRA2.2 R22_ULTRA3.2 R22_ULTRA4.2 R31.2 R32.2 R37_THERM1.1 R37_THERM2.1 R37_THERM3.1 R37_THERM4.1 R44_CC_LED1.2 R44_CC_LED2.2 R44_CC_LED3.2 R44_CC_LED4.2 S1.1 S2.2 U1.3 U1.7 U2.3 Y1.2 Y1.4
I2C0.SCL: IC1.46 IC4.2 J9.3 J10.3 R7.1 U1.5 U2.5
I2C0.SDA: IC1.45 IC4.1 J9.2 J10.2 R4.1 U1.6 U2.6
I2C1.SCL: IC1.48 IC3.10 J6.4 J7.4 J8.5 J11.3 R8.1
I2C1.SDA: IC1.47 IC3.9 J6.3 J7.3 J8.4 J11.2 R5.1
IMU0_IO.BOOT: IC1.6 J9.6
IMU0_IO.INT: IC1.3 J9.4
IMU0_IO.RESET: IC1.4 J9.5
IMU1_IO.BOOT: IC1.14 J10.6
IMU1_IO.INT: IC1.12 J10.4
IMU1_IO.RESET: IC1.13 J10.5
IR_HUB0_IO.INT: IC1.16 J6.5
IR_HUB0_IO.RESET: IC1.17 J6.2
IR_HUB1_IO.INT: IC1.18 J7.5
IR_HUB1_IO.RESET: IC1.19 J7.2
MICROSW1: C40_MS1.1 IC1.22 R34_MS1.2 R35_MS1.1
MICROSW2: C40_MS2.1 IC1.23 R34_MS2.2 R35_MS2.1
MICROSW3: C40_MS3.1 IC1.25 R34_MS3.2 R35_MS3.1
MICROSW4: C40_MS4.1 IC1.26 R34_MS4.2 R35_MS4.1
MZ_IR_IO.INT: IC1.20 J8.2
MZ_IR_IO.XSHUT: IC1.21 J8.3
NEOPIXEL_DIN1: IC1.7 IC10_NEO_LED1.2
NEOPIXEL_DIN2: IC1.8 IC10_NEO_LED2.2
NEOPIXEL_DIN3: IC1.9 IC10_NEO_LED3.2
NEOPIXEL_DIN4: IC1.11 IC10_NEO_LED4.2
NEOPIXEL_DOUT1: J16.2 R42_NEO_LED1.1
NEOPIXEL_DOUT2: J17.2 R42_NEO_LED2.1
NEOPIXEL_DOUT3: J18.2 R42_NEO_LED3.1
NEOPIXEL_DOUT4: J19.4 R42_NEO_LED4.1
NetC18_2: C18.2 R12.1 Y1.3
NetC30_1: C30.1 R23.1 U1.1
NetC30_2: C30.2 R27.1 U1.2
NetC31_1: C31.1 R24.1 U2.1
NetC31_2: C31.2 R28.1 U2.2
NetC32_2: C32.2 IC6.6 R25.1 R27.2
NetC33_2: C33.2 IC7.6 R26.1 R28.2
NetC38_2: C38.2 IC6.3
NetC39_2: C39.2 IC7.3
NetC44_FAN1_1: C44_FAN1.1 J21_FAN1.3 L2_FAN1.2
NetC44_FAN2_1: C44_FAN2.1 J21_FAN2.3 L2_FAN2.2
NetC44_FAN3_1: C44_FAN3.1 J21_FAN3.3 L2_FAN3.2
NetD1_1: D1.1 R1.1
NetD2_1: D2.1 R2.1
NetD3_1: D3.1 J5.2
NetD3_2: D3.2 IC1.35 R14.1 S2.1
NetD4_1: D4.1 R15.2
NetD5_1: D5.1 R16.2
NetD6_1: D6.1 R17.2
NetD7_FAN1_2: D7_FAN1.2 IC9_FAN1.3 L2_FAN1.1
NetD7_FAN2_2: D7_FAN2.2 IC9_FAN2.3 L2_FAN2.1
NetD7_FAN3_2: D7_FAN3.2 IC9_FAN3.3 L2_FAN3.1
NetF1_1: F1.1 J4.4
NetF2_1: F2.1 J4.3
NetF3_1: F3.1 J4.1
NetIC1_1: IC1.1 IC7.5 R32.1
NetIC1_2: IC1.2 IC6.5 R31.1
NetIC1_43: IC1.43 J11.4
NetIC1_66: IC1.66 R6.2
NetIC1_67: IC1.67 R9.2
NetIC4_4: IC4.4 R18.1
NetIC4_9: IC4.9 R19.1
NetIC6_2: IC6.2 R29.2
NetIC7_2: IC7.2 R30.2
NetIC8_FAN1_5: IC8_FAN1.5 R39_FAN1.1
NetIC8_FAN2_5: IC8_FAN2.5 R39_FAN2.1
NetIC8_FAN3_5: IC8_FAN3.5 R39_FAN3.1
NetIC9_FAN1_1: IC9_FAN1.1 R39_FAN1.2
NetIC9_FAN2_1: IC9_FAN2.1 R39_FAN2.2
NetIC9_FAN3_1: IC9_FAN3.1 R39_FAN3.2
NetIC10_NEO_LED1_4: IC10_NEO_LED1.4 R42_NEO_LED1.2
NetIC10_NEO_LED2_4: IC10_NEO_LED2.4 R42_NEO_LED2.2
NetIC10_NEO_LED3_4: IC10_NEO_LED3.4 R42_NEO_LED3.2
NetIC10_NEO_LED4_4: IC10_NEO_LED4.4 R42_NEO_LED4.2
NetIC11_CC_LED1_4: IC11_CC_LED1.4 R43_CC_LED1.1
NetIC11_CC_LED2_4: IC11_CC_LED2.4 R43_CC_LED2.1
NetIC11_CC_LED3_4: IC11_CC_LED3.4 R43_CC_LED3.1
NetIC11_CC_LED4_4: IC11_CC_LED4.4 R43_CC_LED4.1
NetJ3_1: J3.1 R11.2
NetJ3_3: J3.3 R13.2
NetJ13_MS1_1: J13_MS1.1 R35_MS1.2
NetJ13_MS2_1: J13_MS2.1 R35_MS2.2
NetJ13_MS3_1: J13_MS3.1 R35_MS3.2
NetJ13_MS4_1: J13_MS4.1 R35_MS4.2
NetJ20_THERM1_2: J20_THERM1.2 R36_THERM1.2 R37_THERM1.2
NetJ20_THERM2_2: J20_THERM2.2 R36_THERM2.2 R37_THERM2.2
NetJ20_THERM3_2: J20_THERM3.2 R36_THERM3.2 R37_THERM3.2
NetJ20_THERM4_2: J20_THERM4.2 R36_THERM4.2 R37_THERM4.2
NetJ21_FAN1_2: J21_FAN1.2 R40_FAN1.2 R41_FAN1.2
NetJ21_FAN2_2: J21_FAN2.2 R40_FAN2.2 R41_FAN2.2
NetJ21_FAN3_2: J21_FAN3.2 R40_FAN3.2 R41_FAN3.2
NTC1: C41_THERM1.2 IC3.4 R36_THERM1.1
NTC2: C41_THERM2.2 IC3.5 R36_THERM2.1
NTC3: C41_THERM3.2 IC3.6 R36_THERM3.1
NTC4: C41_THERM4.2 IC3.7 R36_THERM4.1
PWM_FAN1: IC4.5 S3_FAN1.2
PWM_FAN2: IC4.7 S3_FAN2.2
PWM_FAN3: IC4.11 S3_FAN3.2
PWM_OUT_FAN1: J21_FAN1.1 S3_FAN1.3
PWM_OUT_FAN2: J21_FAN2.1 S3_FAN2.3
PWM_OUT_FAN3: J21_FAN3.1 S3_FAN3.3
QSPI_CS: IC1.75 IC2.1 R3.1
QSPI_SCLK: IC1.71 IC2.6
QSPI_SD0: IC1.72 IC2.5
QSPI_SD1: IC1.74 IC2.2
QSPI_SD2: IC1.73 IC2.3
QSPI_SD3: IC1.70 IC2.7
SWD_CLK: IC1.33 R11.1
SWD_IO: IC1.34 R13.1
SYSOK_LED: IC1.79 R1.2
TACH_FAN1: IC4.6 R41_FAN1.1
TACH_FAN2: IC4.8 R41_FAN2.1
TACH_FAN3: IC4.12 R41_FAN3.1
TRIG_HV_ULTRA1: IC5_ULTRA1.4 J12_ULTRA1.2
TRIG_HV_ULTRA2: IC5_ULTRA2.4 J12_ULTRA2.2
TRIG_HV_ULTRA3: IC5_ULTRA3.4 J12_ULTRA3.2
TRIG_HV_ULTRA4: IC5_ULTRA4.4 J12_ULTRA4.2
TRIG_UL1: IC1.27 IC5_ULTRA1.2
TRIG_UL2: IC1.36 IC5_ULTRA2.2
TRIG_UL3: IC1.38 IC5_ULTRA3.2
TRIG_UL4: IC1.40 IC5_ULTRA4.2
TRML_ALERT: IC1.58 IC3.2 IC4.10 R20.2
USB_DIFF_N: J1.3 R6.1
USB_DIFF_P: J1.2 R9.1
VAUX_ALERT: IC1.57 R33.2 U1.8 U2.8
VBAT: C25.2 C26.1 F3.2 R15.1 R24.2 R26.2
VBAT_AUX: C42_FAN1.1 C42_FAN2.1 C42_FAN3.1 C43_FAN1.2 C43_FAN2.2 C43_FAN3.2 C48_CC_LED1.2 C48_CC_LED2.2 C48_CC_LED3.2 C48_CC_LED4.2 C49_CC_LED1.2 C49_CC_LED2.2 C49_CC_LED3.2 C49_CC_LED4.2 IC7.1 IC8_FAN1.2 IC8_FAN2.2 IC8_FAN3.2 IC9_FAN1.2 IC9_FAN2.2 IC9_FAN3.2 IC11_CC_LED1.3 IC11_CC_LED2.3 IC11_CC_LED3.3 IC11_CC_LED4.3 R30.1 R43_CC_LED1.2 R43_CC_LED2.2 R43_CC_LED3.2 R43_CC_LED4.2
VREG_AVDD: C19.1 IC1.61 R10.2
VREG_LX: IC1.63 L1.2
VREG_PGND: C17.2 C20.2 IC1.62
XTAL_IN: C16.2 IC1.30 Y1.1
XTAL_OUT: IC1.31 R12.2
pads on no net: Hole1.1 Hole2.1 Hole3.1 Hole4.1 IC1.44 IC1.49 IC1.52 J2.M J3.M J4.5 J4.6 J8.M J9.M J10.M J11.M J19.M J21_FAN1.MH1 J21_FAN2.MH1 J21_FAN3.MH1 S3_FAN1.M S3_FAN1.MH S3_FAN2.M S3_FAN2.MH S3_FAN3.M S3_FAN3.MH

## Silkscreen, mask and mechanical layers (free items; w line width, h text height)
Mechanical 1:
  the board outline again, w0.254